# KiCad board input-output.Media.kicad_pcb (continued)
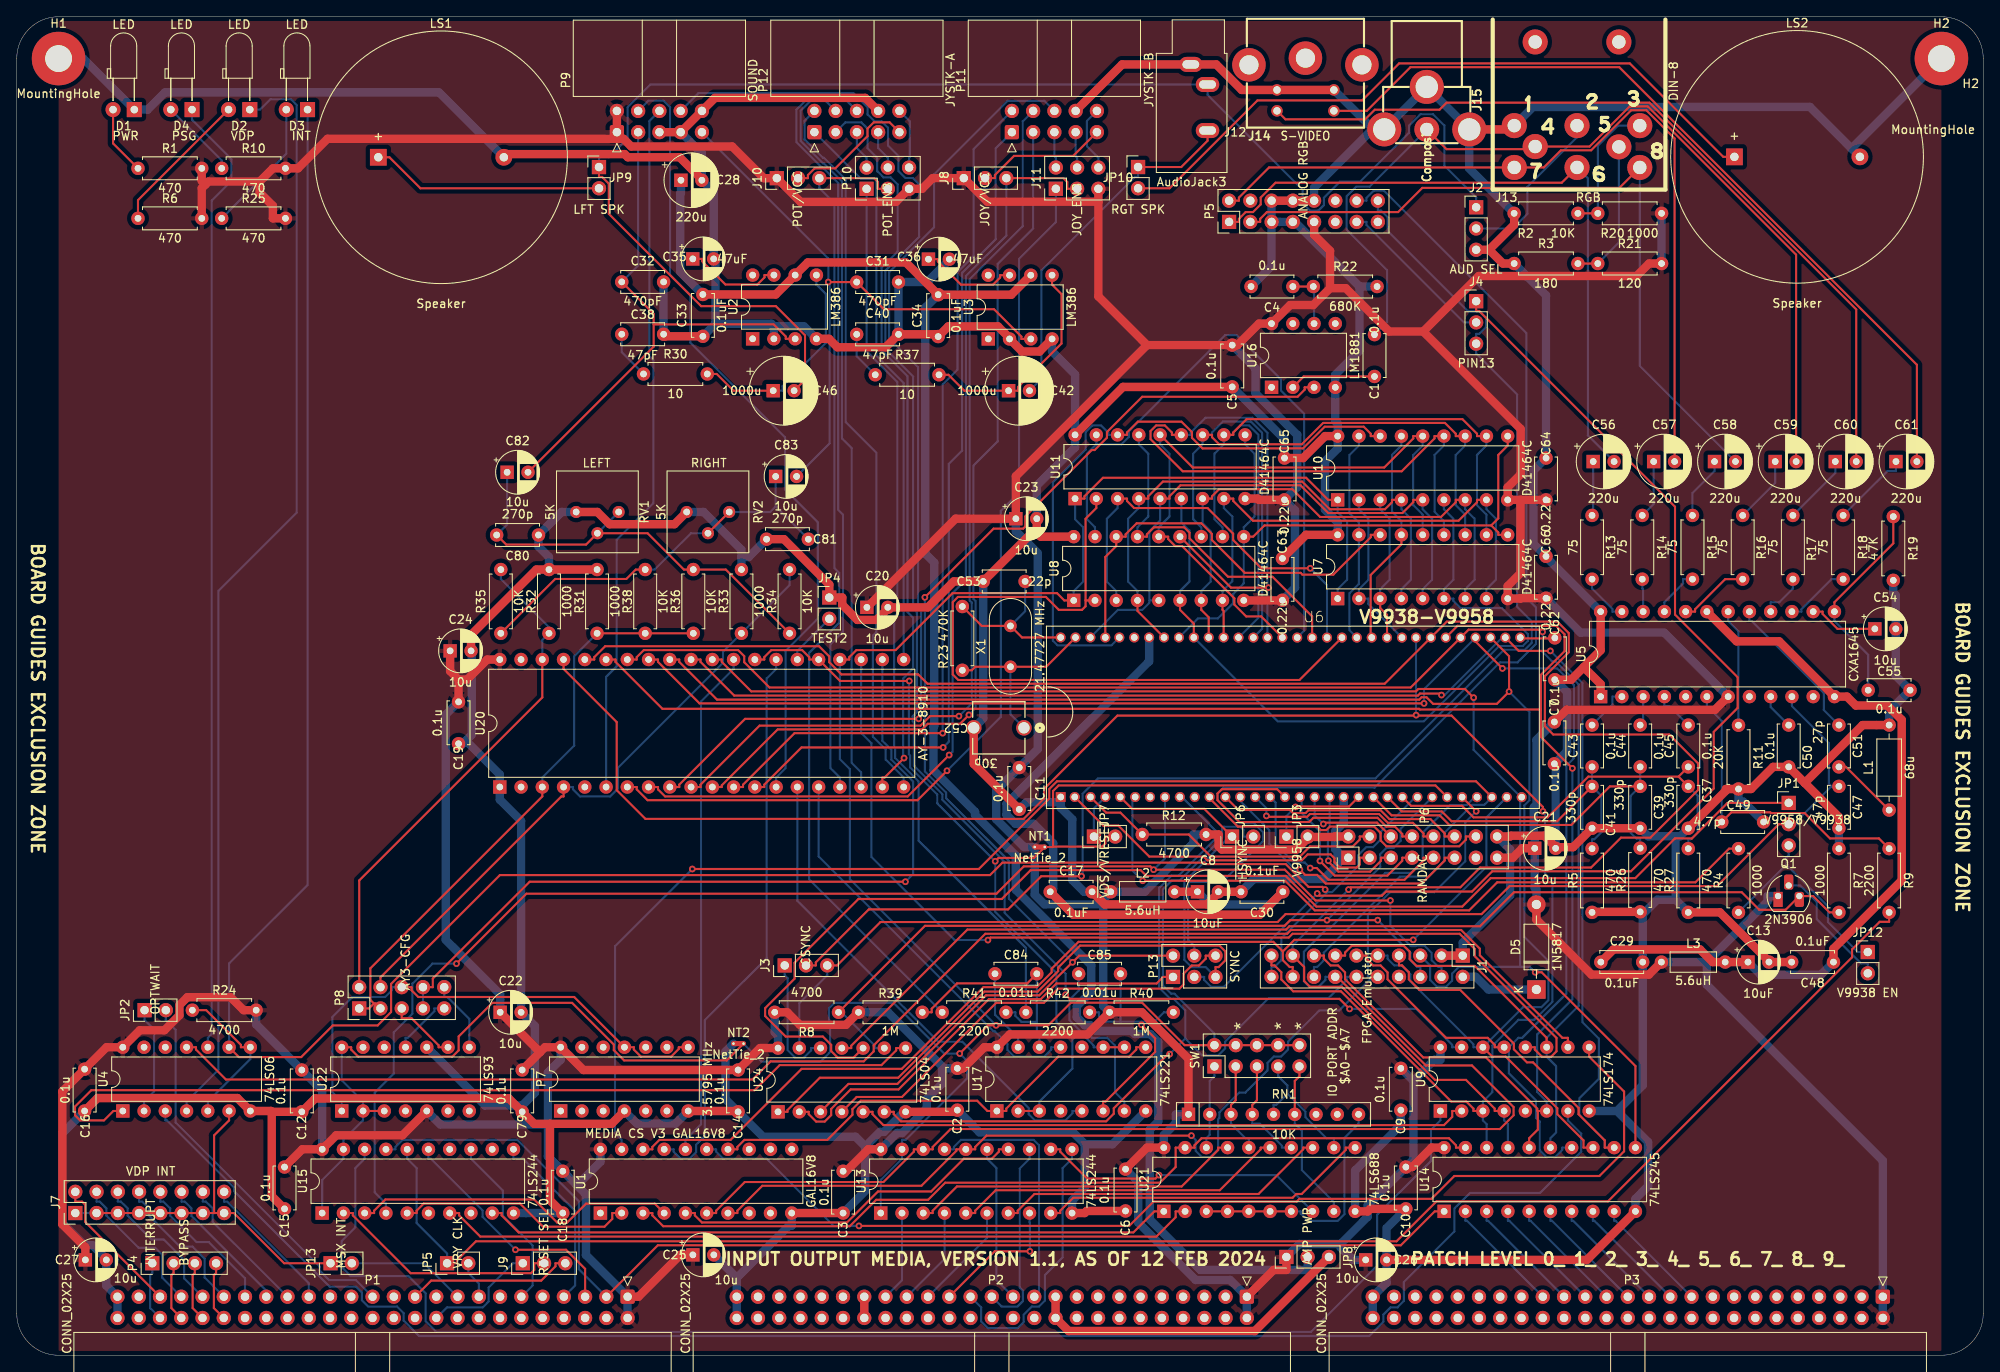
[diagram p0: board, top side]
## Routing (per net, layer and track width the routed paths; a pad name or vN(x,y) marks a point on that pad's centre or on a via; arc(x,y) is an arc through that point) (continued)
/VDP/C7: length 29.8
  Top w0.25: U6.12 145.97,65.2 152.13,65.2 152.51,64.81 154.02,64.81 154.35,65.15 162.98,65.15 164.04,64.09 168.94,64.09 170.65,62.38 170.65,62.01 P6.12
/VDP/CBDR: length 35.9
  Top w0.25: P6.14 173.19,62.01 173.19,61.65 172.38,60.84 163.68,60.84 162.99,61.53 162.99,62.42 162.21,63.2 156.92,63.2 156.5,62.78 155.84,62.78 155.42,63.2 145.92,63.2 142.55,66.57 U6.11
/VDP/CHROMA: length 98.1
  Top w0.25: C61.2 227.07,118.4 191.49,153.97 166.55,153.97 161.33,148.75 J14.4
/VDP/COMP: length 111.3
  Top w0.25: C59.2 212.64,131.56 194.92,149.27 192.74,149.27 187.95,144.48 J13.4 181.14,144.17 170.86,144.17 J15.1
  Bottom w0.25: J15.1 161.65,139.68 160.07,139.68 158.93,138.54 158.93,134.52 163.76,129.7 163.76,123.51 C1.1
/VDP/GOUT: length 97.9
  Top w0.25: C57.2 198.11,145.44 194.73,148.82 192.93,148.82 188.14,144.03 184.53,144.03 182.48,141.98 J13.7 149.65,141.98 146.05,138.38 146.05,138.01 P5.2
/VDP/GREEN: length 46
  Top w0.25: C39.1 190.38,68 185.77,63.39 171.2,63.39 170.04,64.54 164.3,64.54 U6.22
  Bottom w0.25: C44.1 C39.1 192.87,66.87 192.87,62.45 193.58,61.75 194,61.75 R26.2
/VDP/LUMA: length 98.9
  Top w0.25: J14.3 151.61,147.74 161.14,147.74 162.29,148.89 170.02,148.89 170.86,149.73 195.1,149.73 219.82,125.01 C60.2
/VDP/RED: length 38.2
  Top w0.25: U6.23 165.52,65.01 170.29,65.01 171.46,63.84 184.09,63.84 C41.1
  Bottom w0.25: C43.1 C41.1 189.38,66.87 189.38,62.53 188.53,61.69 188.25,61.69 R5.2
/VDP/ROUT: length 82
  Top w0.25: J13.6 184.63,140.16 150.42,140.16 148.65,138.39 148.65,137.57 147.73,136.65 146.86,136.65 146.05,135.84 146.05,135.47 P5.1
  Bottom w0.25: J13.6 187.75,140.69 187.75,109.97 C56.2
/VDP/SYNCIN: length 154.1
  Top w0.25: JP1.2 210.57,63.49 203.17,56.08 178.39,56.08 175.04,52.74 151.63,52.74 150.68,51.79 103.22,51.79 98.03,46.6 J3.3
  Bottom w0.25: U24.13 93.51,42.08 96.85,45.42 J3.3 ; C47.1 216.85,68 ; 216.85,68 212.93,64.08 212.93,63.49 JP1.2 ; 216.85,68 216.56,68.29 216.56,73.18 212.13,77.6 U5.10
/VDP/VD0: length 20.2
  Bottom w0.25: U10.2 160.39,101.12 161.52,100 161.52,92.7 160.39,91.58 U7.2 161.52,90.45 161.52,89.81 U6.41
/VDP/VD1: length 17.7
  Top w0.25: U7.3 162.93,89.32 163.75,88.5 U6.42
  Bottom w0.25: U10.3 162.93,101.12 164.06,100 164.06,92.7 162.93,91.58 U7.3
/VDP/VD2: length 26.6
  Top w0.25: U7.15 165.47,96.94 161.79,93.26 161.79,85.92 U6.43
  Bottom w0.25: U10.15 165.47,108.74 164.34,107.62 164.34,100.84 165.47,99.71 U7.15
/VDP/VD3: length 25.8
  Bottom w0.25: U6.44 159.26,86.67 159.26,91.09 160.39,92.21 U7.17 160.39,99.54 159.26,100.66 159.26,107.62 160.39,108.74 U10.17
/VDP/VD4: length 89
  Top w0.25: U8.2 127.72,90.23 ; 127.72,90.23 127.72,99.99 129.01,101.27 U11.2 ; 127.72,90.23 127.72,89.53 127.3,89.1 124.52,89.1 122.98,90.65 112.48,90.65 111.85,90.02 111.85,81.38 112.51,80.72 153.29,80.72 U6.45
/VDP/VD5: length 49.4
  Top w0.25: v1(154.57,94.07) 148.74,94.07 145.36,97.45 145.36,98.21 142.3,101.27 133.52,101.27 132.68,102.12 132.68,102.4 U11.3
  Bottom w0.25: U6.46 156.58,92.07 v1(154.57,94.07) ; U11.3 131.55,101.27 130.26,99.99 130.26,92.48 131.39,91.36 U8.3
/VDP/VD6: length 42
  Top w0.25: U8.15 135.06,97.85 135.06,98.13 135.9,98.98 139.5,98.98 140.15,98.33 140.15,97.65 144.75,93.06 150.06,93.06 154.8,88.32 U6.47
  Bottom w0.25: U8.15 133.93,98.98 135.22,100.26 135.22,107.77 134.09,108.89 U11.15
/VDP/VD7: length 75.4
  Bottom w0.25: U8.17 128.85,98.98 127.88,99.94 127.88,107.77 129.01,108.89 ; 129.01,108.89 132.03,108.89 132.89,109.76 132.89,110.44 144.4,121.94 145.78,121.94 151.08,116.65 151.08,115.31 153.85,112.54 153.85,86.62 U6.48 ; 129.01,108.89 U11.17
/VDP/VGA-CSYNC: length 171.3
  Top w0.25: J3.2 95.49,46.6 95.49,46.97 101.82,53.3 118.46,53.3 122.43,57.26 v1(127.24,57.26)
  Bottom w0.25: v1(127.24,57.26) 127.37,57.39 127.37,67.12 129.22,68.96 162.37,68.96 177.74,84.33 180.22,84.33 181.05,85.16 181.05,87.72 179.3,89.47 179.3,114.85 174.4,119.74 J4.3 174.4,122.1 174.77,122.1 175.58,122.9 175.58,123.98 174.73,124.82 173.4,124.82 163.83,134.4 163.83,136.03 163.02,136.84 162.66,136.84 P5.16
/VDP/VGA-HSYNC: length 145.4
  Top w0.25: J4.1 174.4,124.82 174.77,124.82 198.16,101.43 198.16,88.53 205.64,81.05 205.64,77.37 202.79,74.52 202.79,67.75 192.89,57.85 176.32,57.85 173.9,55.43 163.64,55.43 163.15,54.94 155.66,54.94 v1(155.41,55.2)
  Bottom w0.25: v1(155.41,55.2) 144.26,44.05 142.7,44.05 141.89,44.86 141.89,45.22 P13.3
/VDP/VGA-VSYNC: length 140
  Bottom w0.25: P13.4 140.72,48.94 139.97,49.68 139.97,56.4 140.16,56.59 144.05,56.59 148.94,61.48 148.94,62.51 147.81,63.64 146.21,63.64 143.49,66.36 143.49,67.13 144.23,67.87 162.28,67.87 177.24,82.83 179.35,82.83 181.55,85.03 181.55,89.39 180.4,90.54 180.4,122.18 163.38,139.2 162.14,139.2 161.29,138.35 161.29,138.01 P5.14
/VDP/VSYNC: length 159
  Top w0.25: P13.2 126.96,47.76 v1(126.17,46.97) 126.14,46.97 122.19,43.03 115.83,43.03 105.23,32.43 99.39,32.43 U24.3 ; v1(108.52,90.6) 116.73,98.81 120.27,98.81 120.52,99.06 120.52,100.27 128.46,108.21 128.8,108.21 130.28,109.68 130.28,110.36 134.5,114.57 153.06,114.57 153.9,115.42 153.9,115.7 U16.3
  Bottom w0.25: v1(126.17,46.97) 118.56,54.59 118.56,59.1 111.06,66.6 111.06,67.25 108.52,69.79 v1(108.52,90.6)
/VDP/YS: length 17.4
  Top w0.25: R21.1 R3.2
  Bottom w0.25: J13.5 191.45,133.01 R21.1
/VDP/~{CAS0}: length 50.1
  Top w0.25: U7.16 161.8,98.07 161.8,97.79 157.33,93.31 153.64,93.31 153.42,93.53 146.75,93.53 142.82,97.46 142.82,98.18 141.56,99.45 133.83,99.45 132.52,98.13 132.52,97.85 U8.16 131.39,96.72 130.08,95.42 U6.61
/VDP/~{CAS1}: length 75.5
  Top w0.25: U10.16 161.8,109.87 161.8,110.15 160.96,111 156.31,111 153.71,108.4 141.7,108.4 140.44,109.67 140.44,110.34 139.19,111.6 133.97,111.6 132.68,110.3 132.68,110.02 U11.16
  Bottom w0.25: U6.60 130.83,84.87 124.36,84.87 123.82,85.42 123.82,104.34 127.74,108.26 127.74,110.34 128.54,111.15 129.58,111.15 130.42,110.3 130.42,110.02 U11.16
/VDP/~{CSYNC}: length 86.4
  Top w0.25: v1(134.55,56.72) 151.58,56.72 155.12,53.19 173.57,53.19 176.91,56.53 200.6,56.53 204.62,60.56 R4.2
  Bottom w0.25: v1(134.55,56.72) 133.33,57.94 133.33,66.41 U6.6
/VDP/~{DHCLK}: length 40.5
  Top w0.25: P6.3 160.49,59.47 160.49,58.67 160.12,58.3 158.12,58.3 157.47,58.95 157.47,59.41 157.01,59.87 154.26,59.87 153.56,59.16 142.28,59.16 141.83,59.61 135.34,59.61 131.65,63.31 129.86,63.31 U6.2
/VDP/~{DLCLK}: length 37.5
  Top w0.25: U6.3 130.18,64.86 131.89,64.86 R12.1 140.05,62.25 142.69,59.61 153.33,59.61 154.55,60.82 159.67,60.82 160.49,61.65 160.49,62.01 P6.4
/VDP/~{HSYNC}: length 103.3
  Top w0.25: P13.5 143.25,46.4 143.62,46.4 144.43,47.21 144.43,48.27 143.73,48.97 127.07,48.97 124.45,46.35 124.45,45.92 122.01,43.48 115.64,43.48 105.34,33.17 95.97,33.17 92.1,29.3 92.1,29.1 U24.1 ; U6.5 133.29,65.31 141.91,65.31 JP6.1
  Bottom w0.25: JP6.1 144.92,62 139.52,56.6 139.52,47.26 140.39,46.4 142.08,46.4 P13.5
/VDP/~{RAS}: length 70
  Top w0.25: U10.5 166.88,102.25 166.88,101.97 165.59,100.67 156.73,100.67 153.41,103.99 139.06,103.99 137.76,102.68 137.76,102.4 U11.5
  Bottom w0.25: U7.5 168.01,91.58 169.14,92.7 169.14,100 168.01,101.12 U10.5 ; U11.5 136.63,99.77 135.34,98.49 135.34,90.23 ; 135.34,90.23 135.34,89.95 134.5,89.1 131.61,89.1 U6.62 ; 135.34,90.23 U8.5
/VDP/~{VRW}: length 66
  Top w0.25: U8.4 133.93,88.97 U6.57 ; U10.4 164.34,102.25 164.34,101.97 163.5,101.12 156.92,101.12 153.6,104.44 136.97,104.44 135.22,102.68 135.22,102.4 U11.4
  Bottom w0.25: U10.4 165.47,101.12 166.6,100 166.6,92.7 165.47,91.58 U7.4 ; U11.4 134.09,101.27 132.8,99.99 132.8,92.48 133.93,91.36 U8.4
/VDP/~{VSYNC}: length 53.4
  Top w0.25: P13.6 142.08,47.76 142.08,47.4 141.27,46.59 140.41,46.59 139.44,45.62 139.44,44.33 138.94,43.82 124.43,43.82 122.73,42.13 117.04,42.13 105.79,30.88 100.37,30.88 U24.4
A0: length 10.8
  Bottom w0.25: P2.35 105.79,8.97 U13.2
A1: length 11.9
  Bottom w0.25: P2.33 110.87,11.51 U13.4
A2: length 12.9
  Bottom w0.25: P2.31 115.95,14.05 U13.6
A3: length 16.5
  Top w0.25: v1(121.07,12.42) 116.86,12.42 P2.29
  Bottom w0.25: U13.8 121.03,15.87 121.07,15.83 v1(121.07,12.42)
A4: length 32.7
  Bottom w0.25: U13.11 126.11,23.49 124.98,22.37 124.98,11.7 122.87,9.59 122.87,6.54 122.15,5.82 121.3,5.82 120.33,4.85 120.33,3.97 119.6,3.24 116.06,3.24 115.25,4.06 115.25,5.73 P2.27
A5: length 23.3
  Bottom w0.25: U13.13 121.03,23.49 119.86,22.33 119.86,8.1 120.24,7.72 120.24,6.47 119.58,5.82 117.7,5.82 P2.25
A6: length 18.9
  Bottom w0.25: P2.23 117.08,8.98 117.08,22.37 115.95,23.49 U13.15
A7: length 30.5
  Bottom w0.25: U13.17 112,24.62 112,24.9 112.84,25.75 121.53,25.75 122.16,25.11 122.16,7.56 P2.21
ACR5: length 194.7
  Top w0.25: v1(125.35,43.1) 125.84,42.6 158.07,42.6 v1(159.27,41.4)
  Bottom w0.25: U9.15 171.54,36.82 171.54,37.1 167.24,41.4 v1(159.27,41.4) ; v1(125.35,43.1) 125.35,45.6 118.06,52.89 118.06,58.96 110.61,66.41 110.61,67.07 107.21,70.47 107.21,75.63 107.06,75.78 107.06,76.38 107.57,76.88 107.57,88.83 107.12,89.28 107.12,117 103.79,120.32 103.79,129.64 107.84,133.68 107.84,139.97 107.09,140.72 106.2,140.72 105.37,141.55 105.37,143.36 104.12,144.61 104.12,146.73 103.35,147.49 102.5,147.49 101.67,148.32 101.67,149.19 99.99,150.87 81.47,150.87 P9.8
AUDIO_L: length 67
  Top w0.25: 76.11,123.22 76.11,120.56 C82.2 ; 76.11,123.22 90.46,123.22 91.9,121.78 91.9,121.5 U2.3 ; 76.11,123.22 76.11,124.49 C32.1
  Bottom w0.25: P9.3 74.26,130.26 C32.1
AUDIO_R: length 76.3
  Top w0.25: U3.3 120.05,121.48 120.05,121.77 116.78,125.04 103.62,125.04 C31.1 v1(96.98,128.28)
  Bottom w0.25: C83.2 97.14,109 97.14,128.12 v1(96.98,128.28) 96.98,131.11 P9.9
bA0: length 169.1
  Top w0.25: J1.14 157.8,45.24 168.39,34.64 173.9,34.64 178.87,29.66 178.87,28.68 177.23,27.04 111.6,27.04 109.46,24.9 109.46,24.62 U13.18 107.2,24.62 107.2,24.34 103.58,20.71 87,20.71 83.58,17.28 83.58,17 U1.6
  Bottom w0.25: 174.5,66.71 174.22,66.71 173.29,65.78 171.32,65.78 168.01,62.48 168.01,59.08 166.6,57.66 163.52,57.66 156.88,51.01 156.59,51.01 153.82,48.24 153.82,44.7 154.47,44.05 155.56,44.05 156.38,44.87 156.38,45.24 J1.14
bA1: length 127.5
  Top w0.25: U6.28 v1(174.41,65.02) ; v1(140.37,26.25) 115.89,26.25 114.54,24.9 114.54,24.62 U13.16 112.28,24.62 112.28,24.44 108.11,20.26 89.09,20.26 86.12,17.28 86.12,17 U1.7
  Bottom w0.25: 162.05,45.24 161.46,45.24 161.46,52.71 164.11,55.35 169.4,55.35 173.09,59.04 173.09,63.71 v1(174.41,65.02) ; 162.05,45.24 158.04,41.22 155.67,41.22 151.92,37.47 151.92,36.54 151.08,35.7 150.22,35.7 149.47,34.96 149.47,34.06 146.81,31.39 146.09,31.39 143.71,29.02 143.71,28.36 143.57,28.21 143.57,24.63 142.63,23.69 141.62,23.69 140.88,24.43 140.88,25.74 v1(140.37,26.25) ; 162.05,45.24 J1.10
bA2: length 43
  Top w0.25: U1.5 81.04,17 81.04,16.72 81.88,15.87 99.22,15.87 102.92,19.58 109.27,19.58 113.18,23.49 116.52,23.49 117.36,24.34 117.36,24.62 U13.14
bA3: length 34.9
  Top w0.25: v1(136.5,21.54) 136.08,21.12 127.91,21.12 124.7,24.34 124.7,24.62 U13.12
  Bottom w0.25: v1(136.5,21.54) 150.51,21.54 U21.8
bA4: length 39.9
  Top w0.25: U13.9 124.7,17 124.7,17.28 126.24,18.83 152.46,18.83 152.91,19.28 153.55,19.28 158.81,24.54 158.81,24.82 U21.11
bA5: length 39.9
  Top w0.25: U13.7 119.62,17 119.62,17.28 121.61,19.28 148.39,19.28 153.73,24.62 153.73,24.82 U21.13
bA6: length 39.9
  Top w0.25: 149.78,24.82 148.65,24.82 148.65,24.62 143.76,19.73 116.98,19.73 114.54,17.28 114.54,17 U13.5
bA7: length 39.9
  Top w0.25: U21.17 143.57,24.82 143.57,24.54 139.21,20.18 112.35,20.18 109.46,17.28 109.46,17 U13.3
bD0: length 230.3
  Top w0.25: v1(167.23,76.52) 167.23,76.46 ; 167.23,76.46 171.46,76.46 182.38,65.54 v1(182.38,65.02) ; 167.23,76.46 131.53,76.46 122.77,67.71 122.77,66.57 120.32,64.11 75.13,64.11 71.69,67.55 71.69,75.69 65.34,82.04 65.34,83.16 ; J1.19 149.94,46.6 150.31,46.6 151.12,45.79 151.12,44.92 152.54,43.5 158.25,43.5 171.43,30.33 173.24,30.33 174.08,29.48 174.08,29.2 U9.3
  Bottom w0.25: U14.18 175.66,27.62 175.21,28.07 U9.3 175.21,30.33 176.33,31.45 176.33,37 179.43,40.1 181.34,40.1 183.51,42.27 183.51,56.69 182.62,57.57 182.62,64.78 v1(182.38,65.02) ; v1(167.23,76.52) 167.21,76.54 U6.40
bD1: length 256
  Top w0.25: J1.17 153.84,46.41 153.84,44.74 154.54,44.05 158.35,44.05 169.48,32.92 173.19,32.92 176.62,29.48 176.62,29.2 U9.4 ; v1(159.15,55.66) 159.43,55.94 172.51,55.94 174.87,58.3 188.14,58.3 191.71,61.87 195.23,61.87 200.92,67.57 200.92,70.75 197.47,74.2 183.61,74.2 182.61,75.2 182.61,81.17 185.47,84.03 185.47,86.32 184.09,87.7 170.9,87.7 U6.39 163.47,80.27 108.84,80.27 107.72,81.39 98.55,81.39 97.09,82.84 97.09,83.54 95.88,84.75 70.32,84.75 69.01,83.45 69.01,83.16 67.89,83.16
  Bottom w0.25: U14.17 178.19,27.62 177.75,28.07 U9.4 ; J1.17 152.48,48.99 v1(159.15,55.66)
bD2: length 232.6
  Top w0.25: U9.6 181.77,29.2 ; 181.77,29.2 181.7,29.27 181.7,29.48 175.58,35.6 168.07,35.6 158.74,44.94 158.74,45.76 157.9,46.6 157,46.6 156.2,47.41 156.2,47.78 J1.15 ; 181.77,29.2 181.77,26.98 180.74,25.95 180.74,24.82 ; 182.14,77.19 182.14,81.33 184.96,84.16 184.96,86.18 183.96,87.19 172.17,87.19 U6.38 ; 182.14,77.19 167.67,77.19 167.58,77.27 77.16,77.27 71.55,82.88 71.55,83.16 70.42,83.16 ; 182.14,77.19 182.14,73.92 v1(185.9,70.16)
  Bottom w0.25: v1(185.9,70.16) 185.9,42.56 181.69,38.35 181.69,31.46 182.82,30.33 U9.6
bD3: length 213.4
  Top w0.25: 72.97,83.16 74.09,83.16 74.09,83.45 74.93,84.29 86.21,84.29 86.94,83.57 86.94,82.84 89.95,79.82 166.58,79.82 U6.37 173.49,86.74 182.07,86.74 v1(182.34,86.47) ; J1.13 158.74,47.78 158.74,48.14 159.54,48.95 165.75,48.95 166.45,48.25 166.45,47.36 167.27,46.54 174.23,46.54 182.82,37.95 U9.11
  Bottom w0.25: v1(182.34,86.47) 182.34,84.08 183.46,82.96 183.87,82.96 186.65,80.17 186.65,41.77 182.82,37.95 U9.11 182.82,35.69 183.95,34.57 183.95,26.62 183.28,25.95 183.28,24.82
bD4: length 208.8
  Top w0.25: J1.11 161.28,47.78 161.28,47.41 162.08,46.6 162.98,46.6 163.82,45.76 163.82,44.94 170.81,37.95 175.78,37.95 176.62,37.1 176.62,36.82 U9.13 ; U6.36 174.33,85.31 v1(177.54,82.1) ; 75.5,83.16 76.63,83.16 76.63,82.88 81.59,77.92 v1(168.17,77.92)
  Bottom w0.25: U9.13 178.31,36.82 ; 178.31,36.82 179.43,37.95 179.9,37.95 185.17,43.22 185.17,70.47 186.09,71.38 186.09,80.1 184.08,82.1 v1(177.54,82.1) ; 178.31,36.82 178.31,33.71 181.56,30.47 181.56,28.38 182,27.93 182,24.48 182.79,23.69 183.85,23.69 184.69,24.54 184.69,24.82 U14.14 ; v1(168.17,77.92) 168.17,79.64 U6.36
bD5: length 197.4
  Top w0.25: U14.13 187.23,24.82 187.23,25.69 184.09,28.82 184.09,29.53 177.93,35.69 176.33,35.69 U9.14 ; U6.35 178.33,83.56 v1(178.33,79.33) 176.87,77.86 169.26,77.86 168.47,78.65 167.87,78.65 167.6,78.37 83.68,78.37 79.17,82.88 79.17,83.16 78.05,83.16
  Bottom w0.25: v1(178.33,79.33) 180.77,76.9 180.77,66.33 180.15,65.72 180.15,50.02 183.03,47.15 183.03,42.43 182.2,41.61 179.99,41.61 U9.14 174.08,36.82 174.08,37.17 166.54,44.7 166.54,45.54 165.48,46.6 164.62,46.6 163.82,47.41 163.82,47.78 J1.9
bD6: length 211.2
  Top w0.25: J1.7 165.18,46.6 165.55,46.6 166.36,45.79 166.36,44.94 167.63,43.67 172.5,43.67 178.91,37.26 178.91,36.57 180.47,35.01 181.19,35.01 186.63,29.57 186.63,28.82 189.77,25.68 189.77,24.82 190.9,24.82 ; U6.34 179.49,84.19 v1(183.27,84.19) ; v1(170.26,78.92) 170.08,79.1 167.69,79.1 167.44,78.85 85.74,78.85 81.71,82.88 81.71,83.16 80.58,83.16
  Bottom w0.25: U6.34 177.52,85.79 170.65,78.92 v1(170.26,78.92) ; 190.9,24.82 189.77,24.82 189.77,25.69 186.74,28.72 186.74,30.72 189.06,33.04 189.06,37.84 187.1,39.8 187.1,80.36 v1(183.27,84.19)
bD7: length 172.3
  Top w0.25: v1(181.45,45.78) 182.22,45.78 193.44,34.57 U14.11 ; v1(174.1,78.61) 173.06,79.64 167.5,79.64 167.21,79.36 87.77,79.36 84.25,82.88 84.25,83.16 83.12,83.16
  Bottom w0.25: 179.75,66.71 179.65,66.62 179.65,46.44 ; 179.75,66.71 U6.32 ; 179.75,66.71 174.1,72.36 v1(174.1,78.61) ; 179.65,46.44 172.34,46.44 171.53,45.63 171.53,44.77 170.82,44.06 169.7,44.06 168.9,44.86 168.9,46.6 J1.5 ; 179.65,46.44 180.8,46.44 v1(181.45,45.78)
CLK: length 4.5
  Bottom w0.25: JP5.2 53.97,9.82 55.22,8.57 P1.15
D0: length 14.1
  Bottom w0.25: 173.12,17.2 173.12,16.07 173.29,16.07 P3.33
D1: length 14.1
  Bottom w0.25: U14.3 175.66,16.07 175.83,16.07 P3.31
D2: length 14.1
  Bottom w0.25: P3.29 178.37,16.07 178.19,16.07 U14.4
D3: length 14.1
  Bottom w0.25: 180.74,17.2 180.74,16.07 180.91,16.07 P3.27
D4: length 14.1
  Bottom w0.25: P3.25 183.45,16.07 183.28,16.07 183.28,17.2
D5: length 14.1
  Bottom w0.25: P3.23 185.99,16.07 185.81,16.07 U14.7
D6: length 14.1
  Bottom w0.25: U14.8 188.35,16.07 188.53,16.07 P3.21
D7: length 14.1
  Bottom w0.25: P3.19 191.07,16.07 190.9,16.07 190.9,17.2
L-CH: length 176.5
  Top w0.25: JP9.1 69.58,140.85 69.95,140.85 70.76,140.05 70.76,136.44 81.79,125.41 90.71,125.41 94.2,121.92 94.2,116.61 C46.2
  Bottom w0.25: J2.1 174.4,138.4 170.6,142.2 170.6,147.01 169.26,148.35 167.75,148.35 166.39,146.99 166.39,146.14 160.53,140.28 158.12,140.28 156.21,138.37 156.21,137.49 155.56,136.84 154.55,136.84 153.67,137.71 153.67,139.3 142.3,150.67 J12.T 75.72,151.9 72.99,149.17 72.99,145.44 70.76,143.21 69.58,143.21 JP9.1
ONE: length 161.9
  Top w0.25: 123.84,60.81 129.7,60.81 130.09,61.19 130.09,62 JP7.2 ; 123.84,60.81 123.84,67.45 124.5,68.11 169.54,68.11 U6.27 ; 123.84,60.81 123.79,60.75 NT1.2 121.55,59.45 117.33,59.45 v1(116.93,59.05) ; 88.2,83.16 89.33,83.16 89.33,83.45 90.17,84.29 93.86,84.29 94.7,83.45 94.7,83.16 95.82,83.16 98.39,80.6 v1(106.66,80.6) ; U17.3 U17.2 ; U17.10 U17.11
  Bottom w0.25: U17.11 128.7,36.82 128.7,37.01 127.77,37.95 126.15,37.95 ; v1(106.66,80.6) 106.61,80.56 106.61,71.83 106.76,71.69 106.76,70.28 110,67.04 110,65.98 v1(116.93,59.05) 116.93,53 124.25,45.68 124.25,39.85 126.15,37.95 ; 126.15,37.95 126.15,34.27 122.21,30.33 U17.3
VRY: length 176.4
  Top w0.25: v1(164.15,54.36) 155.22,54.36 151.53,58.04 v1(135.86,58.04) 135.46,58.44 120.34,58.44 117.08,55.17 60.91,55.17 v1(52.55,46.81)
  Bottom w0.25: v1(135.86,58.04) 137.21,59.4 U6.8 ; v1(164.15,54.36) 164.15,51.35 166.59,48.91 167.16,48.91 167.21,48.97 168.22,48.97 169.08,48.1 169.08,47.22 169.89,46.41 170.26,46.41 J1.4 ; U15.4 44.12,18.13 42.78,19.47 42.78,31.39 45.05,33.66 45.05,38.6 47.28,40.82 47.28,44.41 49.68,46.81 v1(52.55,46.81)
VRY_CLK: length 206.7
  Top w0.25: R9.2 223.75,51.81 222.62,51.81 219.32,48.51 219.32,47.58 190.15,18.4 169.67,18.4 164.89,13.62 54.88,13.62 52.6,11.35 52.6,11 JP5.1
  Bottom w0.25: U15.16 46.66,23.49 47.79,22.37 47.79,15.81 51.42,12.18 JP5.1
ZERO: length 365.9
  Top w0.25: v1(112.68,36.06) 116.06,39.44 v1(117.03,39.44) 123.26,39.44 125.97,42.15 134.48,42.15 139.56,37.06 SW1.2 SW1.4 SW1.6 SW1.8 SW1.10 ; U8.1 125.18,90.23 124.32,91.1 111.83,91.1 105.02,84.29 100.33,84.29 99.49,83.45 99.49,83.16 98.37,83.16 ; U10.1 156.72,102.25 154.09,104.89 129.8,104.89 127.6,102.68 127.6,102.4 U11.1 ; U22.14 39.97,36.82 39.97,36.54 40.81,35.69 52.06,35.69 52.81,36.45 52.81,38.11 56.83,42.13 66.37,42.13 71.35,37.14 71.35,36.47 72.58,35.24 84.84,35.24 NT2.2 ; U22.3 U22.2
  Bottom w0.25: U15.1 36.5,20.95 39.04,23.49 U15.19 39.04,25.75 41.37,28.07 41.38,28.07 U22.2 41.38,30.33 38.84,32.87 U22.14 ; U10.1 157.85,100.78 158.98,99.65 158.98,92.7 157.85,91.58 U7.1 ; SW1.2 143.12,38.46 138.37,43.22 137.97,43.22 136.97,44.21 136.97,55.68 138.04,56.75 138.96,56.75 144.04,61.83 144.04,62.98 144.24,63.18 146.22,63.18 146.59,62.81 146.59,62 JP6.2 ; 98.37,83.16 98.37,71.27 99.55,70.08 99.55,56.92 v1(117.03,39.44) ; U8.1 126.31,91.36 127.44,92.49 127.44,98.97 126.47,99.94 U11.1 ; NT2.2 88.99,35.11 96.05,35.11 97.2,36.26 97.2,39.01 97.07,39.14 97.07,41.49 97.7,42.13 104.77,42.13 110.83,36.06 v1(112.68,36.06) 113.56,35.18 113.56,33.1 106.21,25.75 105.79,25.75 U13.19 105.79,23.49 103.25,20.95 U13.1
~{BAI}: length 7.1
  Top w0.25: P1.40 23.56,5.64 23.56,9.56 23.82,9.82 P4.4
~{BAO}: length 7.1
  Top w0.25: P1.42 21.02,5.64 21.02,9.56 21.28,9.82 P4.3
~{bIORQ}: length 82.4
  Top w0.25: U21.1 135.95,17.2 133.43,14.68 59.98,14.68 57.95,16.72 57.95,17 U15.9
~{bM1}: length 90.9
  Top w0.25: 139.62,17.2 138.49,17.2 138.49,16.5 136.18,14.19 55.39,14.19 52.87,16.72 52.87,17 U15.7
~{bRD}: length 39.2
  Top w0.25: U15.3 42.71,17 42.71,17.28 44.05,18.62 61.83,18.62 64.58,15.87 65.78,15.87 68.03,18.13 76.24,18.13 U1.4
~{bRESET}: length 169
  Bottom w0.25: U9.1 170.12,28.07 169,26.95 169,23.22 162.57,16.8 162.57,10.71 154.65,2.79 50.14,2.79 48.87,4.06 48.87,7.4 46.81,9.46 39.91,9.46 38.83,10.54 38.83,13.66 40.45,15.28 40.45,22.37 41.58,23.49 U15.18
~{bWR}: length 28.5
  Top w0.25: U15.5 47.79,17 47.79,17.28 48.64,18.13 60.14,18.13 62.9,15.37 70.24,15.37 71.16,16.3 71.16,17 U1.2
~{CS_ACR_WR}: length 131.4
  Top w0.25: v1(100.64,15.46) 132.94,15.46 135.85,18.38 152.97,18.38 153.28,18.7 169.06,18.7 171.79,21.43 189.13,21.43 192.08,24.38 192.08,31.52 187.91,35.69 U9.9
  Bottom w0.25: v1(100.64,15.46) 97.64,15.46 89.6,23.49 84.42,23.49 83.58,24.34 83.58,24.62 U1.15
~{CS_ACR}: length 56.9
  Top w0.25: U1.14 86.12,24.62 86.12,24.9 86.96,25.75 96.86,25.75 99.87,28.75 99.87,29.43 100.86,30.43 114.77,30.43 116,29.2 U17.1 118.25,29.2 118.25,29.48 124.46,35.69 132.94,35.69 133.78,36.54 133.78,36.82 U17.9
~{CS_MEDIA}: length 105.6
  Top w0.25: 173.12,24.82 171.99,24.82 171.99,25.1 171.15,25.95 141.58,25.95 140.74,25.1 140.74,24.82 138.49,24.82 138.49,22.51 136.61,20.63 110.95,20.63 108.91,18.58 102.7,18.58 99.54,15.42 77.25,15.42 75.96,16.72 75.96,17 U1.3
~{CS_PSG_A0}: length 60.9
  Bottom w0.25: U1.16 79.91,25.75 81.78,27.61 81.78,78.15 85.67,82.04 85.67,83.16
~{CS_PSG_WR}: length 67.6
  Bottom w0.25: 90.75,83.16 90.75,82.04 89.62,80.91 89.62,47.46 82.23,40.07 82.23,26.2 81.18,25.15 81.18,24.26 80.42,23.49 79.34,23.49 78.5,24.34 78.5,24.62 U1.17
~{EIRQ0}: length 17.2
  Top w0.25: J7.2 7,18.36 7.81,18.36 8.18,18 8.18,15.94 P1.45
~{EIRQ1}: length 18.1
  Bottom w0.25: J7.4 9.54,18.36 9.91,18.36 10.72,17.56 10.72,16.7 14.57,12.85 16.55,12.85 17.38,12.02 17.38,9.28 P1.43
~{EIRQ2}: length 17.8
  Bottom w0.25: J7.6 12.08,18.36 12.45,18.36 13.26,17.56 13.26,16.69 16.1,13.84 17.56,13.84 20.01,11.39 20.01,9.19 P1.41
~{EIRQ3}: length 17.8
  Bottom w0.25: P1.39 22.46,9.28 22.46,11.54 21,12.99 19.51,12.99 15.8,16.7 15.8,17.56 14.99,18.36 14.62,18.36 J7.8
~{EIRQ4}: length 17.8
  Bottom w0.25: J7.10 17.16,18.36 17.53,18.36 18.34,17.56 18.34,16.68 21.48,13.53 22.96,13.53 27.28,9.21 P1.37
~{EIRQ5}: length 16.9
  Bottom w0.25: J7.12 19.7,18.36 20.07,18.36 20.88,17.56 20.88,16.66 29.82,7.72 P1.35
~{EIRQ6}: length 16.9
  Bottom w0.25: P1.33 23.42,15.94 23.42,17.56 22.61,18.36 22.24,18.36 J7.14
~{EIRQ7}: length 16.9
  Bottom w0.25: J7.16 24.78,18.36 25.15,18.36 34.9,8.61 P1.31
~{IEI}: length 7.1
  Top w0.25: P4.2 18.74,9.82 18.48,9.56 18.48,5.64 P1.44
~{IEO}: length 7.1
  Bottom w0.25: P1.46 15.94,5.64 15.94,9.56 16.2,9.82 P4.1
~{INT0}: length 14.3
  Bottom w0.25: JP13.2 48.68,11 P1.17
~{IORQ}: length 21.9
  Bottom w0.25: U15.11 59.36,23.49 60.49,23.49 66.73,17.25 66.73,8.35 P1.7
~{LPS-WAIT}: length 105.9
  Top w0.25: v1(162.64,52.01) v1(156.58,52.01) 152.18,52.01 151.5,51.34 108.54,51.34 R8.1
  Bottom w0.25: 103.68,36.72 102.55,36.72 102.55,37 98.55,41 R8.1 ; J1.6 167.72,46.41 167.35,46.41 166.54,47.22 166.54,48.1 v1(162.64,52.01) ; U6.26 165.38,62.93 165.38,61.49 164.54,60.65 163.68,60.65 162.94,59.91 162.94,58.37 v1(156.58,52.01)
~{M1}: length 21.2
  Bottom w0.25: P1.11 61.65,8.35 61.65,13.11 58.09,16.67 58.09,19.68 54.28,23.49 U15.13
~{RD}: length 143.8
  Top w0.25: P1.3 76.61,13.15 165.4,13.15 169.45,17.2 U14.1
  Bottom w0.25: P1.3 67.18,10.28 67.18,18.39 59.82,25.75 46.09,25.75 45.25,24.9 45.25,24.62 U15.17
~{RES_IN}: length 14
  Bottom w0.25: J9.1 59.3,11 56.4,8.1 56.4,6.44 55.68,5.73 51.41,5.73 P1.20
~{RES_OUT}: length 19.8
  Top w0.25: 65.56,11 64.38,11 64.38,10.63 62.67,8.93 49.53,8.93 P1.21
~{RESAY3}: length 122.3
  Top w0.25: U9.12 181.41,36.82 181.41,36.54 182.27,35.68 183.34,35.68 184,36.33 184,37.94 174.23,47.7 174.23,48.57 172.42,50.38 152.46,50.38 152.01,49.93 116.36,49.93 v1(116.06,49.63)
  Bottom w0.25: 100.91,83.16 100.91,74.39 102.14,73.16 102.14,59.57 112.08,49.63 v1(116.06,49.63)
~{RESVDP}: length 102.5
  Top w0.25: v1(137.77,36) 137.57,36 131.1,29.52 131.1,28.87 130.19,27.96 105.66,27.96 104.8,28.82 104.8,29.1 103.68,29.1
  Bottom w0.25: v1(137.77,36) 139.64,37.87 ; 139.64,37.87 141.66,35.85 143.58,35.85 144.4,36.66 144.4,37.47 149.63,42.7 156.76,42.7 158.92,44.87 158.92,45.24 J1.12 ; 139.64,37.87 139.64,41.22 138.26,42.61 137.86,42.61 136.52,43.95 136.52,55.87 138,57.35 138.85,57.35 143.26,61.76 143.26,62.72 139.24,66.73 U6.9
~{VDP_RD}: length 129.2
  Top w0.25: U1.18 75.96,24.62 75.96,24.9 76.8,25.75 85.3,25.75 93.79,34.23 105.76,34.23 115.53,44 121.9,44 123.67,45.78 123.67,46.21 126.88,49.42 150.16,49.42 151.3,48.28 ; J1.18 152.48,46.41 152.11,46.41 151.3,47.22 151.3,48.28 ; 151.3,48.28 152.69,49.66 v1(166.88,49.66)
  Bottom w0.25: U6.31 175.63,64.29 175.63,58.41 v1(166.88,49.66)
~{VDP_WR}: length 172.3
  Top w0.25: v1(80.73,58.13) 114.97,58.13 123.38,66.54 123.38,67.68 124.31,68.61 174.38,68.61 U6.30
  Bottom w0.25: U1.19 72.29,25.75 71.49,26.54 71.49,48.89 v1(80.73,58.13) ; J1.16 155.02,46.41 155.39,46.41 156.2,47.22 156.2,48.12 165.28,57.21 168.71,57.21 170.56,59.06 170.56,62.41 173.94,65.79 175.35,65.79 U6.30
~{VINT}: length 290.6
  Top w0.25: v1(156.35,55.66) 156.03,55.99 154.37,55.99 151.64,58.71 142.09,58.71 141.92,58.89 117.79,58.89 116.3,57.4 57.74,57.4 44.73,44.39 44.73,41.03 43.13,39.43 37.78,39.43 34,35.65 26.55,35.65 U4.9
  Bottom w0.25: 156.63,55.36 156.35,55.64 v1(156.35,55.66) ; 156.63,55.36 157.18,55.36 160.3,58.49 160.3,59.78 161.27,60.75 162.09,60.75 162.92,61.58 162.92,62.5 167.13,66.71 U6.25 ; 156.63,55.36 151.12,49.85 151.12,47.22 150.31,46.41 149.94,46.41 J1.20 ; D3.1 34.75,56.21 25.38,46.84 U4.9
~{WAIT}: length 46.4
  Bottom w0.25: P1.25 40.53,8.99 37.33,8.99 36.21,10.1 36.21,10.6 18.99,27.82 18.99,38.9 17.81,40.07 JP2.2
~{WR}: length 29.1
  Top w0.25: P1.5 67.92,10.33 65.64,12.61 v1(59.6,12.61)
  Bottom w0.25: v1(59.6,12.61) 55.67,16.54 55.67,17.31 49.48,23.49 49.2,23.49 U15.15
Net-(C1-Pad2): length 10.3
  Top w0.25: U16.2 153.79,117 C1.2
Net-(C4-Pad1): length 6.9
  Top w0.25: C4.1 R22.1
  Bottom w0.25: R22.1 155.03,127.66 U16.6
Net-(C35-Pad1): length 11.8
  Top w0.25: C35.1 81.91,131.05 81.91,130.77 84.69,127.99 88.51,127.99 89.36,128.84 89.36,129.12 U2.7
Net-(C36-Pad1): length 11.7
  Top w0.25: C36.1 110.08,131.02 110.08,130.74 112.84,127.98 116.67,127.98 117.51,128.82 117.51,129.11 U3.7
Net-(C38-Pad1): length 5.8
  Bottom w0.25: C38.1 72.3,119.9 R30.1
Net-(C40-Pad1): length 5.8
  Bottom w0.25: C40.1 100.37,119.42 R37.1
Net-(C42-Pad1): length 26.7
  Top w0.25: U3.5 123.72,127.98 124.85,126.85 124.85,120.94 119.65,115.74 119.65,115.3 C42.1 113.24,115.3 111.34,117.2 R37.2
Net-(C43-Pad2): length 5.5
  Bottom w0.25: C43.2 190.69,77.77 190.69,78.73 U5.2
Net-(C44-Pad2): length 3.5
  Bottom w0.25: U5.3 194.35,75.69 C44.2
Net-(C45-Pad2): length 4.9
  Bottom w0.25: C45.2 197.48,77.6 196.9,77.6 U5.4
Net-(C46-Pad1): length 26.3
  Top w0.25: R30.2 83.65,117.3 85.65,115.3 C46.1
  Bottom w0.25: C46.1 91.52,115.3 91.52,115.84 96.69,121 96.69,126.87 95.56,127.99 U2.5
Net-(C49-Pad1): length 38
  Top w0.25: R9.1 222.53,61.78 216.69,61.78 213.66,64.81 209.64,64.81 209.55,64.9 204.9,64.9 C49.1
  Bottom w0.25: C49.1 203.75,75.83 201.97,77.6 U5.6
Net-(C50-Pad1): length 4.3
  Bottom w0.25: C50.1 209.59,77.49 U5.9
Net-(C51-Pad1): length 18.2
  Bottom w0.25: U5.17 207.06,87.76 207.34,87.76 215.94,79.16 215.94,77.13 C51.1
Net-(C51-Pad2): length 8.1
  Top w0.25: L1.1 218.59,70.33 C51.2
Net-(C52-Pad1): length 23.1
  Top w0.25: U6.63 123.02,82.3 X1.1 114.55,82.3 114.13,81.88 R23.2
  Bottom w0.25: X1.1 118.75,76.61 C52.1
Net-(C53-Pad1): length 19.3
  Top w0.25: U6.64 120.13,85.8 X1.2 115.32,87.18 R23.1
  Bottom w0.25: C53.1 120.5,88.93 X1.2
Net-(C54-Pad1): length 8.4
  Top w0.25: C54.1 217.58,86.83 215.8,88.61 215.8,88.89 U5.14
Net-(C55-Pad1): length 25.3
  Top w0.25: U5.13 217.22,90.02 224.25,97.05 R19.1
  Bottom w0.25: C55.1 221.25,83.73 217.22,87.76 U5.13
Net-(C56-Pad1): length 6.5
  Bottom w0.25: R13.1 188.39,100.53 C56.1
Net-(C57-Pad1): length 7
  Bottom w0.25: C57.1 195.61,101.75 R14.1
Net-(C58-Pad1): length 7.5
  Bottom w0.25: C58.1 202.89,105.7 200.25,103.07 R15.1
Net-(C59-Pad1): length 8
  Bottom w0.25: R16.1 210.14,104.28 C59.1
Net-(C60-Pad1): length 8.5
  Bottom w0.25: C60.1 217.32,105.46 R17.1
Net-(C61-Pad1): length 9.6
  Bottom w0.25: R18.1 223.56,105.7 224.57,105.7 C61.1
Net-(C62-Pad1): length 4.2
  Top w0.25: U6.33 179.77,85.69 183.74,85.69 C62.1
Net-(C80-Pad2): length 52.6
  Top w0.25: R34.1 84.73,93.92 R36.2 79.72,93.92 75.38,98.26 RV1.2 68.04,96.91 58.49,96.91 C80.2
  Bottom w0.25: RV1.2 RV1.3 ; C82.1 58.6,99.3 C80.2
Net-(C81-Pad1): length 48.2
  Top w0.25: R35.1 64.34,92.79 72.85,92.79 73.97,93.92 R38.2 ; RV2.2 RV2.3
  Bottom w0.25: 90.69,101.46 90.03,100.8 RV2.3 ; 90.69,101.46 C81.1 ; 90.69,101.46 C83.1 ; RV2.2 80.57,98.26 76.23,93.92 R38.2
Net-(C84-Pad1): length 9.9
  Bottom w0.25: U17.15 119.66,37.95 116.9,40.71 C84.1
Net-(C84-Pad2): length 29.2
  Top w0.25: C84.2 120.76,44.46 112.37,44.46 109.34,41.42 109.34,41 R39.2
  Bottom w0.25: R41.2 119.34,41 119.34,40.58 120.07,39.84 121.9,39.84 ; 121.9,39.84 121.9,38.25 122.21,37.95 U17.14 ; 121.9,39.84 C84.2
Net-(C85-Pad1): length 21
  Bottom w0.25: U17.7 132.37,30.33 131.24,31.45 131.24,37.03 130.32,37.95 128.51,37.95 127.83,38.62 127.24,38.62 125.8,40.06 125.8,42.49 126.9,43.59 C85.1
Net-(C85-Pad2): length 31
  Top w0.25: v1(134.4,39.51) 136.04,37.87 136.04,36.26 130.11,30.33 129.82,30.33 U17.6
  Bottom w0.25: R42.2 129.34,41 129.34,40.58 130.04,39.87 131.9,39.87 ; R40.2 137.08,41 135.96,39.87 134.4,39.87 ; 131.9,39.87 134.4,39.87 ; 131.9,39.87 C85.2 ; 134.4,39.87 v1(134.4,39.51)
Net-(D1-Pad2): length 8.3
  Top w0.25: D1.2 11.51,144.86 R1.1
Net-(D2-Pad1): length 132.1
  Bottom w0.25: D2.1 29.08,148.9 30.31,150.14 32.77,150.14 33.46,149.45 33.46,100.74 24.1,91.39 24.1,34.14 20.3,30.33 20.3,29.2
Net-(D2-Pad2): length 17.5
  Top w0.25: R6.1 14.49,138.08 D2.2
Net-(D3-Pad2): length 16.2
  Bottom w0.25: R25.1 32.21,143.62 D3.2
Net-(D4-Pad1): length 115.2
  Bottom w0.25: 22.84,36.82 22.84,37.95 23.3,38.41 23.3,138.03 25.65,140.37 25.65,142.98 20.95,147.67 D4.1
Net-(D4-Pad2): length 9.5
  Bottom w0.25: D4.2 24.49,142.82 R10.1
Net-(J3-Pad1): length 15.2
  Bottom w0.25: U24.12 94.93,36.72 94.93,36.44 94.05,35.56 93.04,35.56 92.12,36.48 92.12,45.08 91.78,45.42 J3.1
Net-(J4-Pad2): length 19.5
  Bottom w0.25: J4.2 172.94,123.46 161.29,135.11 161.29,135.47 P5.13
Net-(J7-Pad1): length 45.9
  Top w0.25: U4.6 25.38,28.07 23.59,26.29 23.59,17 ; 23.59,17 J7.15 25.96,17 31.96,11 JP13.1 ; 23.59,17 J7.13 J7.11 J7.9 J7.7 J7.5 J7.3
  Bottom w0.25: J7.3 J7.1
Net-(J8-Pad2): length 15.9
  Top w0.25: P11.9 126.24,143.37 119.18,143.37 116.89,141.08 116.89,140.71 J8.2
Net-(J9-Pad2): length 28.1
  Top w0.25: U15.2 40.17,17 40.17,16.72 47.08,9.81 61.46,9.81 61.84,10.19 61.84,11 J9.2
Net-(J10-Pad2): length 16.1
  Top w0.25: P12.9 104.3,147.38 102.41,147.38 101.67,146.63 101.67,145.73 97.82,141.88 95.35,141.88 94.55,141.07 94.55,140.7 J10.2
Net-(J11-Pad2): length 4.3
  Bottom w0.25: J11.2 124.18,143.15 124,143.33 P11.5
Net-(J11-Pad4): length 4.3
  Bottom w0.25: J11.4 126.72,143.15 126.54,143.33 P11.7
Net-(J11-Pad6): length 7.8
  Bottom w0.25: J11.6 129.25,143.15 127.89,144.52 127.89,147.55 P11.10
Net-(JP1-Pad1): length 152.8
  Top w0.25: JP1.1 204.43,66.03 200.19,61.78 198.16,61.78 193.41,57.03 176.14,57.03 172.74,53.64 155.3,53.64 151.64,57.3 135,57.3 134.31,57.99 121.16,57.99 117.72,54.54 100.58,54.54 92.95,46.91 92.95,45.01 89.43,41.49 89.43,40.55 91.89,38.1 96.33,38.1 97.32,37.11 97.32,36.37 98.1,35.59 100,35.59 U24.10
Net-(JP1-Pad3): length 25.7
  Bottom w0.25: R4.1 211.46,58.65 ; 211.46,58.65 216.44,53.66 216.44,51.78 220.02,48.2 JP12.1 ; 211.46,58.65 211.46,59.48 211.75,59.77 JP1.3
Net-(JP2-Pad1): length 13
  Bottom w0.25: 15.22,29.2 15.22,30.33 16.41,31.52 16.41,38.94 15.27,40.07 JP2.1
Net-(JP3-Pad1): length 12
  Top w0.25: U6.21 159.21,65.6 152.87,65.6 v1(152.81,65.54)
  Bottom w0.25: v1(152.81,65.54) 151.72,64.45 JP3.1
Net-(JP4-Pad2): length 6.5
  Bottom w0.25: 93.28,83.16 93.28,84.29 93.36,84.29 JP4.2
Net-(JP7-Pad1): length 5.3
  Bottom w0.25: U6.4 128.72,65.37 JP7.1
Net-(JP9-Pad2): length 27.9
  Top w0.25: JP9.2 48.25,139.49 44.54,143.2 LS1.1
Net-(JP10-Pad2): length 82.1
  Top w0.25: LS2.1 203.93,143.25 192.76,154.42 165.2,154.42 160.77,150 148.27,150 137.76,139.5 134,139.5
Net-(JP12-Pad2): length 15.7
  Bottom w0.25: JP12.2 221.2,46.84 220.39,46.84 215.1,52.12 215.1,54.18 213.12,56.16 Q1.2
Net-(P8-Pad1): length 70.2
  Top w0.25: P8.3 42.88,42.05 42.69,42.05 ; R31.1 R38.1 R36.1 ; P8.1 42.1,41.46 42.69,42.05 ; 42.69,42.05 42.26,42.48 42.26,46.25 62.81,66.8 U20.3
  Bottom w0.25: U20.3 62.81,69.05 66.61,72.86 66.61,83.56 R31.1
Net-(P8-Pad2): length 61.7
  Top w0.25: P8.2 40.92,56.75 62.81,78.63 62.81,83.16
  Bottom w0.25: R35.2 57.85,92.79 63.6,87.04 R32.1 62.81,85.5 62.81,83.16
Net-(P8-Pad4): length 75.3
  Top w0.25: P8.4 43.47,45.18 65.09,66.8 65.34,66.8 U20.4
  Bottom w0.25: R34.2 92.35,92.05 R33.1 84.39,84.09 84.39,82.78 71.83,70.22 71.83,67.71 70.92,66.8 67.31,66.8 66.47,67.64 66.47,67.93 U20.4
Net-(P8-Pad5): length 8.3
  Top w0.25: U22.9 50.41,36.82 50.41,37.05 47.18,40.28 46,40.28 P8.5
Net-(P8-Pad7): length 94.5
  Top w0.25: v1(106.2,56.6) 61.3,56.6 49.72,45.03 49.72,44 P8.8
  Bottom w0.25: 103.44,83.16 103.44,73.45 104.51,72.38 104.51,71.2 107.12,68.59 107.12,57.53 v1(106.2,56.6) ; P8.8 P8.7
Net-(P8-Pad9): length 7.4
  Bottom w0.25: U22.11 46.46,37.95 46.74,37.95 49.91,41.12 49.91,41.46 P8.9
Net-(P8-Pad10): length 8.6
  Bottom w0.25: P8.10 51.08,42.82 51.45,42.82 54.08,40.2 U22.8
Net-(P10-Pad2): length 4.7
  Bottom w0.25: P12.5 100.4,144.3 101.56,143.15 P10.2
Net-(P10-Pad4): length 4.7
  Bottom w0.25: P12.7 102.94,144.3 104.09,143.15 P10.4
Net-(P10-Pad6): length 7.3
  Bottom w0.25: P12.10 106.72,147.5 106.72,143.23 106.63,143.15 P10.6
Net-(P13-Pad1): length 52.9
  Top w0.25: P13.1 137,45.22 136.21,44.44 124.24,44.44 122.38,42.58 116.17,42.58 105.38,31.78 99.66,31.78 97.32,29.45 97.32,28.71 96.55,27.94 95.52,27.94 94.64,28.82 94.64,29.1 U24.2
Net-(Q1-Pad3): length 129.4
  Top w0.25: R7.2 216.62,52.94 214.67,54.89 Q1.3 211.38,53.25 208.23,53.25 206.14,55.35 178.93,55.35 174.87,51.28 152.09,51.28 151.69,50.88 113.6,50.88 99.72,37 99.72,36.72 U24.11
Net-(R11-Pad1): length 14.1
  Bottom w0.25: R11.1 205.75,86.53 204.51,87.76 U5.18
Net-(R13-Pad2): length 6
  Bottom w0.25: R13.2 188.25,91.64 190.69,89.21 190.69,88.89 U5.23
Net-(R14-Pad2): length 3.9
  Bottom w0.25: U5.22 194.35,91.54 194.25,91.64 R14.2
Net-(R15-Pad2): length 5.9
  Bottom w0.25: R15.2 199.12,92.77 199.12,92.25 196.9,90.02 U5.21
Net-(R16-Pad2): length 8.6
  Top w0.25: U5.20 200.56,88.89 200.56,89.17 204.16,92.77 R16.2
Net-(R17-Pad2): length 5.6
  Bottom w0.25: R17.2 212.25,91.64 210.62,90.02 209.59,90.02 U5.16
Net-(R18-Pad2): length 7.9
  Bottom w0.25: U5.15 213.26,88.89 213.26,89.17 216.86,92.77 R18.2
Net-(R24-Pad1): length 18.6
  Top w0.25: R24.1 22.64,41.25 26.79,37.1 26.79,36.82 U4.8
  Bottom w0.25: 22.84,29.2 22.84,30.33 27.91,35.41 U4.8
Net-(RN1-Pad2): length 10.1
  Bottom w0.25: U21.18 142.16,25.95 142.56,26.36 RN1.2 142.56,32.79 143.12,33.35 SW1.1
Net-(RN1-Pad3): length 11.1
  Top w0.25: 145.1,28.8 145.1,29.93 145.66,30.49 SW1.3
  Bottom w0.25: 145.1,28.8 145.1,27.67 146.83,25.95 147.24,25.95 147.24,24.82
Net-(RN1-Pad4): length 13.1
  Top w0.25: SW1.5 148.21,30.49 147.65,29.93 RN1.4
  Bottom w0.25: U21.14 151.19,24.82 151.19,25.04 148.55,27.67 147.65,27.67 RN1.4
Net-(RN1-Pad5): length 16.3
  Bottom w0.25: RN1.5 150.19,29.93 150.5,29.93 151.85,31.27 ; 151.85,31.27 154,29.12 154,28.46 156.51,25.95 157.4,25.95 157.4,24.82 ; 151.85,31.27 151.85,32.25 150.75,33.35 SW1.7
Net-(RN1-Pad6): length 19.5
  Top w0.25: SW1.9 153.28,33.35 152.72,32.79 RN1.6
  Bottom w0.25: 157.4,17.2 157.4,18.33 153.57,22.15 153.57,26.83 152.72,27.67 RN1.6
Net-(RN1-Pad9): length 30.1
  Top w0.25: U21.7 U21.4 U21.3
  Bottom w0.25: RN1.9 160.34,27.67 158.66,25.99 158.66,16.87 157.87,16.07 154.28,16.07 153.44,16.92 153.44,17.2 U21.7
Net-(U24-Pad5): length 73.5
  Top w0.25: U24.5 102.26,29.1 102.26,28.82 103.57,27.51 170.56,27.51 171.54,28.5 171.54,29.2 U9.2
Net-(U24-Pad8): length 109.8
  Top w0.25: U4.1 11.55,29.2 10.42,28.07 7.56,28.07 6.96,28.67 6.96,29.73 8.92,31.69 88.17,31.69 91.17,34.68 103.34,34.68 105.09,36.44 105.09,36.72 U24.8

## Copper pours and planes (outline as drawn; the poured copper is in the pictures)
GND on Bottom: 230,0 5,0 5,160 230,160
VCC on Top: 230,0 5,0 5,160 230,160

## Text on the board
F.Silkscreen: PWR | VDP INT | PSG | VDP | INT | LEFT | MEDIA CS V3 GAL16V8 | RIGHT | $A0-$A7 | * / * / * | INPUT OUTPUT MEDIA, VERSION 1.1, AS OF 12 FEB 2024 | PATCH LEVEL 0_ 1_ 2_ 3_ 4_ 5_ 6_ 7_ 8_ 9_ | BOARD GUIDES EXCLUSION ZONE
